# KiCad board _SHEGO75-V2.1.kicad_pcb (continued)
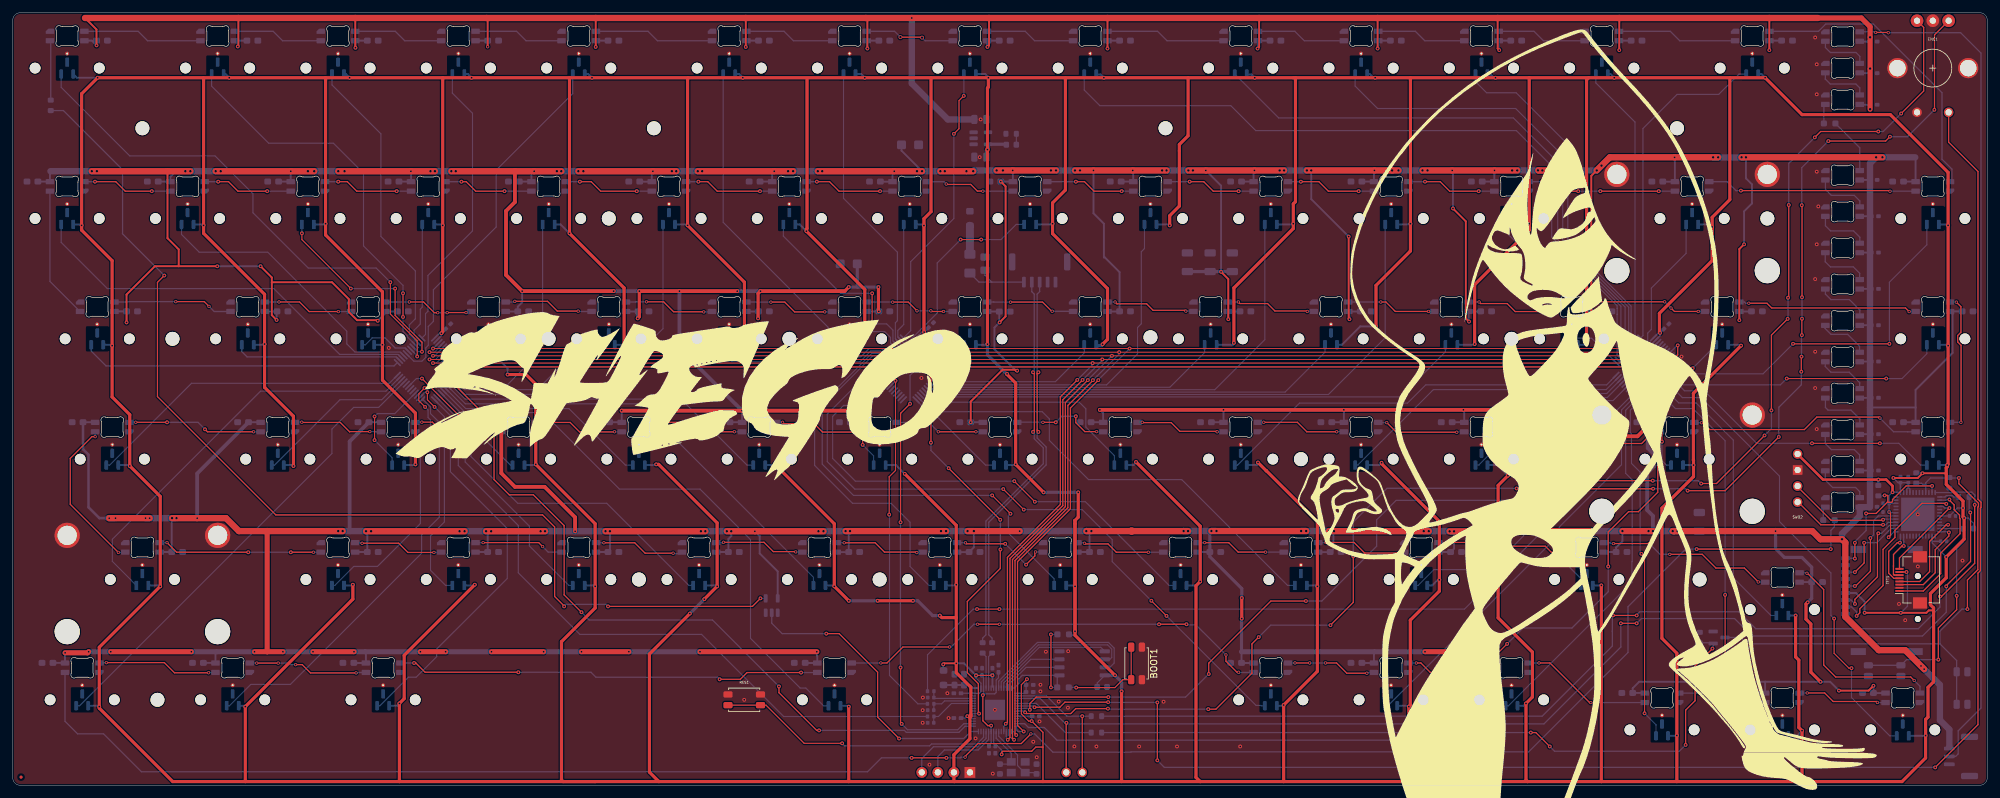
[diagram p0: board, top side]
## Routing (per net, layer and track width the routed paths; a pad name or vN(x,y) marks a point on that pad's centre or on a via; arc(x,y) is an arc through that point) (continued)
  Bottom w0.2: v1(296.28,45.91) 296.21,45.83 R11.1 ; 291.57,38.45 291.57,38.57 293.34,40.34 v1(293.34,43.05) ; v1(291.57,35.91) 291.52,35.96 SD1.P9 ; U5.11 v1(303.78,47.41)
/ESP_EN: length 84.3
  Top w0.2: v1(309.38,27.91) 309.38,32.51 311.03,34.16 311.03,44.06 311.13,44.16 311.13,44.65 308.03,47.76 v1(308.03,48.66)
  Bottom w0.2: R6.1 302.11,47.83 302.28,47.66 302.78,47.66 ; U5.9 302.78,47.66 ; 302.78,47.66 302.78,47.91 303.53,48.66 v1(308.03,48.66) ; EN.2 EN.2 307.68,19.76 305.03,22.41 ; 305.03,22.41 274.53,22.41 273.53,23.41 Q1.3 ; 305.03,22.41 305.03,24.42 308.52,27.91 v1(309.38,27.91)
/ESP_IO0: length 37.5
  Top w0.2: v1(304.78,19.91) 304.78,24.91 307.68,27.81 v1(307.68,30.01)
  Bottom w0.2: v1(307.68,30.01) 307.68,37.48 308.71,38.51 R7.1 U5.23 ; ESP_BOOT.1 ESP_BOOT.1 299.76,19.91 v1(304.78,19.91)
/ESP_RX: length 171.5
  Top w0.2: v1(305.03,29.91) 305.28,29.91 310.53,35.16 v1(310.53,44.41) ; v1(257.03,26.91) v1(253.28,26.91)
  Bottom w0.2: v1(257.03,26.91) 257.03,26.98 257.53,27.48 273.21,27.48 275.88,24.81 301.62,24.81 305.03,28.22 v1(305.03,29.91) ; v1(253.28,26.91) 253.18,26.8 253.18,24.41 253.18,24.41 253.18,22.06 242.08,10.96 R12.1 ; v1(310.53,44.41) 310.56,44.43 310.56,45.94 310.07,46.43 307.59,46.43 307.52,46.36 U5.12
/ESP_TX: length 3.2
  Bottom w0.2: R13.1 307.23,45.66 307.03,45.86 306.03,45.86 305.83,45.66 U5.13
/FB1: length 4.5
  Bottom w1.25: F1.2 FB2.1
/GATE: length 113.9
  Top w0.2: v1(264.78,6.41) 264.78,11.91 266.28,13.41 266.28,18.91 v1(269.03,21.66) ; v1(243.28,6.16) 241.08,8.36 v1(240.28,8.36)
  Bottom w0.2: R15.2 269.02,22.58 ; v1(264.78,6.41) 263.78,5.41 244.03,5.41 v1(243.28,6.16) ; v1(269.03,21.66) 269.14,21.77 Q1.1 ; v1(240.28,8.36) R14.2
/GP0_TX: length 22
  Top w0.2: UART1.1 169.29,10.95 v1(169.28,10.96)
  Bottom w0.2: R12.2 v1(169.28,10.96) 166.83,10.96 163.62,14.16 U3.2
/GP1_RX: length 188.4
  Top w0.2: v1(166.78,9.91) 166.75,9.87 UART1.2 ; v1(254.53,25.66) v1(257.03,25.66) ; v1(306.03,31.51) 306.03,31.61 309.88,35.45 309.88,43.15 v1(309.83,43.2)
  Bottom w0.2: R13.2 309.66,43.37 v1(309.83,43.2) ; U3.3 162.62,13.76 166.48,9.91 v1(166.78,9.91) 166.95,9.73 242.36,9.73 254.53,21.91 v1(254.53,25.66) ; v1(257.03,25.66) 257.78,26.41 272.53,26.41 275.28,23.66 302.28,23.66 306.03,27.41 v1(306.03,31.51)
/GPIO3: length 13.7
  Bottom w0.2: R14.1 166.63,8.36 162.02,12.96 U3.5
/GPIO26: length 8
  Bottom w0.18: U3.38 148.59,12.96 146.53,10.91 R16.1 ; C27.1 145.78,10.88
/GPIO27: length 7.4
  Bottom w0.18: 145.8,11.93 R17.1 147.03,12.91 147.49,13.36 U3.39
/GPIO28: length 7.1
  Bottom w0.18: 145.94,13.76 U3.40 ; C29.1 145.8,14.9
/leds/AMB_OUT: length 9.1
  Bottom w0.2: AMB10.2 292.34,100.94 R10.1
/leds/LED_EXP: length 134.6
  Top w0.2: v3(294.86,119.21) 296.81,119.21 v3(296.86,119.16)
  Bottom w0.2: J3.2 307.52,4.58 307.93,4.99 307.93,8.63 311.53,12.24 311.53,115.93 308.31,119.16 v3(296.86,119.16) ; v3(294.86,119.21) 294.76,119.31 GLO3.2
/leds/LED_IN: length 9.3
  Bottom w0.2: R8.2 6.03,117.76
/leds/LED_OUT: length 316.5
  Top w0.2: v3(161.16,8.15) 159.64,6.62 152.78,6.62 150.75,4.59 v3(150.75,4.46) ; v1(287.75,37.41) v1(266.53,37.41) ; v1(147.78,4.36) v1(142.28,4.36)
  Bottom w0.2: v3(150.75,4.46) 150.09,4.46 149.98,4.36 v1(147.78,4.36) ; v3(161.16,8.15) 161.75,8.15 164.64,5.26 176.98,5.26 177.03,5.31 239.93,5.31 255.66,21.03 255.66,28.28 264.78,37.41 v1(266.53,37.41) ; LED72.2 8.29,10.15 10.28,8.16 14.38,8.16 20.38,2.16 135.31,2.16 137.51,4.36 v1(142.28,4.36) ; v1(287.75,37.41) 287.78,37.44 287.78,40.38 288.31,40.91 288.31,41.91
/MCU_D+: length 5.8
  Bottom w0.18: R4.2 154.46,20.39 U3.47
/MCU_D-: length 5.8
  Bottom w0.18: U3.46 154.06,20.39 R5.1
/QSPI_SCLK: length 23.7
  Bottom w0.18: U3.52 156.46,16.37 162.34,22.24 173.29,22.24 173.96,21.58 173.96,20.25 173.66,19.96 U2.6
/QSPI_SD0: length 19.4
  Bottom w0.18: U3.53 156.86,16.23 162.49,21.86 172.22,21.86 U2.5
/QSPI_SD1: length 9.7
  Bottom w0.18: U3.55 157.66,15.95 160.4,18.69 U2.2
/QSPI_SD2: length 10.7
  Bottom w0.18: U3.54 157.26,16.09 161.13,19.96 U2.3
/QSPI_SD3: length 26.4
  Bottom w0.18: U3.51 156.06,16.51 162.18,22.62 173.45,22.62 174.34,21.74 174.34,19.36 173.66,18.69 U2.7
/QSPI_SS: length 21.2
  Top w0.2: v1(164.33,15.51) v1(164.33,23.89)
  Bottom w0.2: v1(164.33,23.89) 165.25,23.89 ; U3.56 158.53,15.4 159.28,16.16 159.28,16.91 159.79,17.42 U2.1 165.33,17.07 R2.1 v1(164.33,15.51)
/RUN: length 44.6
  Top w0.18: v1(131.28,6.66) 125.28,6.66 119.24,12.69 RES1.2 RES1.2
  Bottom w0.2: v1(131.28,6.66) 131.68,6.26 145.13,6.26 145.43,6.56 152.61,6.56 153.66,7.6 U3.26
/RXD0_IO3: length 17.1
  Top w0.2: v1(296.03,41.26) 286.18,41.26 282.59,44.85
  Bottom w0.2: U5.40 296.87,41.66 296.47,41.26 v1(296.03,41.26)
/SD_CLK: length 16.5
  Top w0.2: v1(291.57,31.56) 291.68,31.56 294.03,33.91 v1(294.03,39.16)
  Bottom w0.2: v1(294.03,39.16) 294.53,39.66 294.53,41.91 295.28,42.66 U5.42 ; v1(291.57,31.56) 290.58,31.56
/SD_CS: length 29.3
  Top w0.2: v1(306.04,44.56) 305.94,44.66 302.19,44.66 297.91,40.38 297.91,39.25 296.03,37.37 296.03,31.64 292.35,27.96 292.35,27.32 v1(291.84,26.81)
  Bottom w0.2: v1(291.84,26.81) 291.84,27.45 291.04,28.26 290.58,28.26 ; v1(306.04,44.56) 305.94,44.66 U5.15
/SD_MISO: length 12.2
  Top w0.2: v1(293.03,38.41) 293.03,35.22 v1(291.57,33.76)
  Bottom w0.2: v1(293.03,38.41) 295.03,38.41 297.28,40.66 U5.38 ; v1(291.57,33.76) 290.58,33.76
/SD_MOSI: length 17.3
  Top w0.2: v1(295.28,39.91) 295.14,39.77 295.14,33.02 291.57,29.45 291.57,28.74 v1(291.59,28.72)
  Bottom w0.2: v1(291.59,28.72) 290.95,29.36 290.58,29.36 ; v1(295.28,39.91) 295.78,39.91 297.03,41.16 U5.39
/sensors/HE1_Esc: length 83.8
  Top w0.18: v1(64.03,67.91) 64.03,70.37 59.78,74.62 v1(59.78,79.66)
  Bottom w0.18: 63.01,69.05 64.03,68.03 v1(64.03,67.91) ; v1(59.78,79.66) 57.53,81.91 46.78,81.91 38.03,90.66 38.03,93.66 32.03,99.66 18.53,99.66 7.68,110.51 HE1.2
/sensors/HE2_F1: length 62.2
  Top w0.18: v1(61.78,77.91) v1(61.78,74.16)
  Bottom w0.18: v1(61.78,74.16) 61.78,71.87 62.48,71.17 62.48,71 MUX1.9 ; v1(61.78,77.91) 61.78,79.16 55.53,85.41 55.53,96.91 50.78,101.66 40.53,101.66 31.49,110.69 HE2.2
/sensors/HE3_F2: length 48.9
  Bottom w0.18: MUX1.10 62.78,71.41 62.78,72.91 63.74,73.86 63.74,81.45 58.28,86.91 58.28,103.16 50.54,110.89 HE3.2
/sensors/HE4_F3: length 46.4
  Bottom w0.18: HE4.2 69.59,109.59 72.78,106.41 72.78,87.78 65.73,80.73 65.73,75.06 65.35,74.67 65.35,71.4 MUX1.12
/sensors/HE5_F4: length 58.3
  Bottom w0.18: HE5.2 88.64,109.52 76.53,97.41 76.53,88.41 66.6,78.47 66.6,73.47 65.78,72.66 65.78,69.66 65.38,69.26 65.38,67.76 64.78,67.16 63.5,67.16 MUX1.5
/sensors/HE6_F5: length 61
  Bottom w0.18: MUX2.5 138.41,68.35 137.87,68.88 137.8,68.88 137.53,69.16 135.56,69.16 134.26,67.86 130.73,67.86 129.07,69.52 129.07,72.52 112.46,89.13 HE6.2
/sensors/HE7_F6: length 46.4
  Bottom w0.18: MUX2.10 139.71,70.68 139.71,73.23 140.03,73.56 140.03,84.41 131.51,92.93 HE7.2
/sensors/HE8_F7: length 45.8
  Top w0.18: v1(148.97,103.14) 148.97,103.15 149.78,103.96 149.78,108.41 v1(150.53,109.16)
  Bottom w0.18: HE8.2 150.56,109.18 v1(150.53,109.16) ; v1(148.97,103.14) 148.97,89.75 142.13,82.92 142.13,71.98 MUX2.12
/sensors/HE9_F8: length 116
  Bottom w0.18: HE9.2 169.61,110.08 172.09,107.6 192.8,107.6 196.75,103.66 237.99,103.66 243.58,98.06 243.58,86.82 254.54,75.86 254.54,69 MUX3.5
/sensors/HE10_F9: length 91.2
  Bottom w0.18: MUX3.7 255.21,69.74 255.21,75.73 244.53,86.41 244.53,98.66 237.53,105.66 200.38,105.66 HE10.2
/sensors/HE11_F10: length 73.9
  Bottom w0.18: MUX3.9 255.77,70.59 255.77,75.71 245.33,86.14 245.33,99.71 237.88,107.16 216.03,107.16 212.47,110.72 HE11.2
/sensors/HE12_F11: length 55.8
  Bottom w0.18: MUX3.10 256.15,70.92 256.15,75.86 246.13,85.88 246.13,101.48 237.96,109.66 233.28,109.66 231.52,111.42 HE12.2
/sensors/HE13_F12: length 44.9
  Bottom w0.18: MUX3.11 256.77,71.01 256.77,105.02 250.57,111.22 HE13.2
/sensors/HE14_Del: length 53.2
  Bottom w0.18: 257.66,70.82 258.03,71.2 258.03,103.99 263.43,109.39 270.01,109.39 273.24,112.62 HE14.2
/sensors/HE15_Grave: length 64.3
  Bottom w0.18: HE15.2 7.68,85.96 14.98,78.66 41.33,78.66 51.76,68.22 61.01,68.22 MUX1.3
/sensors/HE16_1: length 45.9
  Bottom w0.18: MUX1.4 61.34,68.61 54.18,68.61 52.89,69.9 52.89,71.9 40.38,84.41 29.53,84.41 26.73,87.21 HE16.2
/sensors/HE17_2: length 33.9
  Top w0.18: v1(64.78,68.66) 64.78,70.16 60.53,74.41 v1(60.53,78.66) ; v1(53.53,78.66) 45.78,86.41 v1(45.78,87.41)
  Bottom w0.18: MUX1.8 64.12,68.66 v1(64.78,68.66) ; v1(53.53,78.66) v1(60.53,78.66) ; HE17.2 v1(45.78,87.41)
/sensors/HE18_3: length 19.2
  Bottom w0.18: MUX1.11 63.53,71.36 63.53,72.06 64.52,73.04 64.52,75.39 64.83,75.71 HE18.2
/sensors/HE19_4: length 36.2
  Bottom w0.18: MUX1.26 71.49,63.41 78.28,63.41 82,67.13 82,72.98 83.88,74.86 HE19.2
/sensors/HE20_5: length 54.9
  Bottom w0.18: HE20.2 102.93,72.31 92.53,61.91 71.57,61.91 MUX1.28
/sensors/HE21_6: length 30.7
  Top w0.18: v1(136.03,73.06) v1(136.03,77.91)
  Bottom w0.18: MUX2.9 139.33,70.35 139.33,72.06 138.33,73.06 v1(136.03,73.06) ; v1(136.03,77.91) 131.03,77.91 121.98,86.96 HE21.2
/sensors/HE22_7: length 18.9
  Bottom w0.18: HE22.2 141.03,72.96 140.09,72.01 140.09,71.01 MUX2.11
/sensors/HE23_8: length 34.3
  Top w0.18: v1(153.28,86.41) v1(150.03,86.41)
  Bottom w0.18: HE23.2 158.83,88.81 156.43,86.41 v1(153.28,86.41) ; MUX2.7 139.75,68.52 140.4,68.52 141.87,69.99 141.87,70.31 146.33,74.78 146.33,82.71 v1(150.03,86.41)
/sensors/HE24_9: length 55.2
  Bottom w0.18: MUX2.27 146.98,63.41 173.13,63.41 178.04,68.31 178.04,72.48 178.64,73.07 178.64,84.48 179.13,84.98 HE24.2
/sensors/HE25_0: length 74.6
  Bottom w0.18: MUX2.29 146.33,62.64 190.27,62.64 198.18,70.56 HE25.2
/sensors/HE26_Minus: length 94.5
  Bottom w0.18: MUX2.31 145.68,61.88 208.26,61.88 217.23,70.86 HE26.2
/sensors/HE27_Equals: length 32.2
  Bottom w0.18: MUX3.3 253.94,68.18 253.94,74.57 253.95,74.58 253.95,75.51 253.94,75.51 253.94,75.92 246.2,83.66 240.28,83.66 236.28,87.66 HE27.2
/sensors/HE28_Backspace: length 31.1
  Bottom w0.18: HE28.2 264.86,84.23 259.36,78.73 259.36,72.18 258.78,71.6 258.78,69.34 258.27,68.83 258.27,62.42 259.65,61.04
/sensors/HE29_Home: length 56.9
  Top w0.18: v1(297.03,69.91) v1(281.78,69.91)
  Bottom w0.18: MUX3.25 263.79,65.16 277.03,65.16 v1(281.78,69.91) ; v1(297.03,69.91) 297.03,79.66 302.96,85.58 HE29.2
/sensors/HE30_Tab: length 50.6
  Bottom w0.2: HE30.2 12.44,68.74 14.78,66.41 60.36,66.41 MUX1.1
/sensors/HE31_Q: length 26.6
  Bottom w0.2: HE31.2 36.26,68.68 37.1,67.83 60.7,67.83 MUX1.2
/sensors/HE32_W: length 8.7
  Bottom w0.2: 55.31,69.76 55.83,69.76 56.93,70.86 58.93,70.86 60.54,69.25 62.11,69.25 MUX1.6
/sensors/HE33_E: length 6.4
  Bottom w0.18: MUX1.25 74.36,68.61 HE33.2
/sensors/HE34_R: length 27
  Bottom w0.18: MUX1.27 71.53,62.66 83.03,62.66 90.13,69.76 HE34.2
/sensors/HE35_T: length 28.6
  Bottom w0.18: HE35.2 112.46,68.48 113.88,67.06 134.1,67.06 135.82,68.77 137.37,68.77 MUX2.4
/sensors/HE36_Y: length 10.4
  Bottom w0.18: MUX2.8 138.95,70.03 138.95,70.9 138.01,71.83 134.12,71.83 132.04,69.76 HE36.2
/sensors/HE37_U: length 6.3
  Bottom w0.18: HE37.2 150.56,68.68 146.88,65
/sensors/HE38_I: length 26.5
  Bottom w0.18: MUX2.26 147.19,63.91 165.03,63.91 169.61,68.48 HE38.2
/sensors/HE39_O: length 46.7
  Bottom w0.18: HE39.2 188.66,68.53 183.15,63.02 146.66,63.02 MUX2.28
/sensors/HE40_P: length 66.8
  Bottom w0.18: HE40.2 207.71,68.58 201.39,62.26 146,62.26 MUX2.30
/sensors/HE41_LeftBracket: length 86.8
  Bottom w0.18: MUX2.32 145.35,61.5 219.63,61.5 226.76,68.63 HE41.2
/sensors/HE42_RightBracket: length 10
  Bottom w0.18: MUX3.1 249.92,70.78 247.37,70.78 246.34,69.76 HE42.2
/sensors/HE43_Backslash: length 14.4
  Top w0.18: 265.77,65.91 262.78,65.91 260.03,63.16 v1(259.53,63.16)
  Bottom w0.18: v1(265.9,66.04) HE43.2 ; MUX3.34 259.5,62.62 259.5,63.12 v1(259.53,63.16)
/sensors/HE44_PgUp: length 43.7
  Top w0.18: v1(296.53,64.41) v1(280.78,64.41)
  Bottom w0.18: v1(280.78,64.41) 279.78,63.41 264.37,63.41 MUX3.26 ; HE44.2 302.96,68.33 299.03,64.41 v1(296.53,64.41)
/sensors/HE45_CapsLock: length 52
  Bottom w0.18: MUX1.48 59.62,63.66 28.31,63.66 15.36,50.71 HE45.2
/sensors/HE46_A: length 26.2
  Bottom w0.18: HE46.2 41.46,50.71 51.81,61.06 58.43,61.06 MUX1.46
/sensors/HE47_S: length 16.8
  Top w0.18: v1(57.28,54.66) v1(57.28,58.41)
  Bottom w0.18: 63.72,62.09 60.48,58.86 57.73,58.86 v1(57.28,58.41) ; v1(57.28,54.66) 60.07,51.87 HE47.2
/sensors/HE48_D: length 16.2
  Bottom w0.18: HE48.2 78.77,50.71 73.67,55.81 73.67,56.24 67.85,62.06
/sensors/HE49_F: length 34.6
  Bottom w0.18: MUX1.31 71.7,59.66 88.03,59.66 96.98,50.71 HE49.2
/sensors/HE50_G: length 53.3
  Bottom w0.18: HE50.2 116.23,50.71 105.78,61.16 71.62,61.16 MUX1.29
/sensors/HE51_H: length 15.8
  Top w0.18: v1(134.53,53.91) v1(134.53,59.16)
  Bottom w0.18: 137.44,64.57 134.53,61.66 v1(134.53,59.16) ; HE51.2 136.27,52.17 v1(134.53,53.91)
/sensors/HE52_J: length 16.6
  Bottom w0.18: MUX2.36 145.58,58.45 146.24,58.45 153.98,50.71 HE52.2
/sensors/HE53_K: length 37.8
  Bottom w0.18: MUX2.34 144.78,60.66 168.81,60.66 169.85,59.61 169.85,56.73 174.37,52.21 HE53.2
/sensors/HE54_L: length 66.3
  Bottom w0.18: MUX3.48 253.03,64.19 253.03,64.16 252.28,63.41 223.66,63.41 220.77,60.52 203.67,60.52 193.86,50.71 HE54.2
/sensors/HE55_Semicolon: length 47.4
  Bottom w0.18: HE55.2 212.91,50.71 224.86,62.66 252.21,62.66 MUX3.47
/sensors/HE56_Quote: length 28.6
  Bottom w0.18: MUX3.46 252.29,62.04 243.39,62.04 232.05,50.71 HE56.2
/sensors/HE57_Enter: length 12.1
  Top w0.18: v1(261.03,58.91) v1(261.03,54.41)
  Bottom w0.18: HE57.2 261.73,50.71 261.03,51.41 v1(261.03,54.41) ; MUX3.35 261.03,60.38 v1(261.03,58.91)
/sensors/HE58_PgDn: length 45.7
  Top w0.18: v1(284.78,54.16) v1(295.53,54.16)
  Bottom w0.18: v1(295.53,54.16) 298.53,54.16 301.98,50.71 HE58.2 ; MUX3.27 264.6,62.47 267.72,62.47 276.03,54.16 v1(284.78,54.16)
/sensors/HE59_ShiftL: length 65
  Bottom w0.18: HE59.2 15.78,35.46 15.78,38.96 39.23,62.41 59.08,62.41 MUX1.47
/sensors/HE60_Z: length 42.9
  Top w0.18: v1(65.28,59.91) 64.28,60.91 64.28,62 v1(65.19,62.91)
  Bottom w0.18: v1(65.19,62.91) 65.19,62.87 MUX1.39 ; HE60.2 50.98,31.66 53.98,34.66 57.73,34.66 64.53,41.46 64.53,53.26 66.13,54.86 66.13,57.86 65.75,58.24 65.75,59.44 v1(65.28,59.91)
/sensors/HE61_X: length 36.2
  Top w0.18: v1(66.78,59.91) 65.64,61.05 v1(65.64,62.24)
  Bottom w0.18: v1(65.64,62.24) 65.28,62.24 MUX1.38 ; v1(66.78,59.91) 68.33,58.36 68.33,41.71 66.14,39.51 66.14,34.05 68.53,31.66 HE61.2
/sensors/HE62_C: length 39
  Bottom w0.18: MUX1.35 71.62,56.91 71.62,51.2 81.78,41.04 81.78,37.91 88.03,31.66 HE62.2
/sensors/HE63_V: length 55.4
  Bottom w0.18: MUX1.34 72.53,56.71 72.53,52.07 79.95,44.66 94.03,44.66 107.03,31.66 HE63.2
/sensors/HE64_B: length 72.7
  Bottom w0.18: MUX1.30 71.66,60.41 101.03,60.41 103.53,57.91 103.53,56.16 126.74,32.94 HE64.2
/sensors/HE65_N: length 54.4
  Bottom w0.18: MUX2.3 137.04,68.39 135.98,68.39 127.75,60.16 127.75,59.57 126.93,58.75 126.93,50.66 132.93,44.66 139.03,44.66 142.03,41.66 142.03,34.66 145.03,31.66 HE65.2
/sensors/HE66_M: length 69.6
  Top w0.18: v1(157.93,43.01) v1(155.03,45.91)
  Bottom w0.18: MUX2.2 136.72,68.01 136.14,68.01 128.13,60.01 128.13,50.86 133.08,45.91 v1(155.03,45.91) ; HE66.2 164.84,32.69 157.6,39.93 157.6,42.69 v1(157.93,43.01)
/sensors/HE67_Comma: length 79.1
  Top w0.18: v1(161.78,44.91) v1(158.53,48.16)
  Bottom w0.18: HE67.2 183.03,31.66 169.78,44.91 v1(161.78,44.91) ; MUX2.48 132.32,60.16 131.53,60.16 129.78,58.41 129.78,51.76 133.38,48.16 v1(158.53,48.16)
/sensors/HE68_Period: length 73.9
  Bottom w0.18: MUX2.35 145.58,59.16 162.95,59.16 164.08,58.03 164.08,54.61 170.28,48.41 185.03,48.41 201.78,31.66 HE68.2
/sensors/HE69_Slash: length 54.2
  Bottom w0.18: HE69.2 222.43,31.66 224.93,34.16 233.78,34.16 239.13,39.51 239.13,53.26 247.28,61.41 252.37,61.41 MUX3.45
/sensors/HE70_ShiftR: length 36.5
  Bottom w0.18: HE70.2 248.19,32.75 244.78,36.16 244.78,40.91 254.64,50.76 254.64,59.43 MUX3.39
/sensors/HE71_ArrowUp: length 45.4
  Bottom w0.18: MUX3.31 263.7,60.54 266.45,60.54 272.33,54.66 272.33,32.86 278.29,26.89 HE71.2
/sensors/HE72_CtrlL: length 75.4
  Bottom w0.18: MUX1.45 57.92,59.83 53.96,59.83 50.53,56.41 50.53,52.54 10.6,12.61 HE72.2
/sensors/HE73_Win: length 67.6
  Bottom w0.18: HE73.2 34.32,12.61 37.69,15.98 43.96,15.98 64.72,36.75 64.72,39.65 67.53,42.46 67.53,57.46 66.13,58.86 66.13,59.89 64.99,61.04 MUX1.37
/sensors/HE74_AltL: length 62.7
  Bottom w0.18: HE74.2 58.13,12.61 62.65,17.12 63.86,17.12 67.11,20.38 67.11,21.59 78.28,32.76 78.28,40.66 69.28,49.66 69.28,58.54 MUX1.36
/sensors/HE75_Space: length 90.7
  Bottom w0.18: HE75.2 128.33,12.61 125.53,15.41 124.65,15.41 116.78,23.27 116.78,38.91 108.78,46.91 96.03,46.91 83.91,59.02 71.63,59.02 MUX1.32
/sensors/HE76_AltR: length 106.4
  Top w0.18: v1(160.03,43.66) v1(156.78,46.91) ; v1(182.62,26.83) v1(180.23,29.22)
  Bottom w0.18: v1(156.78,46.91) 133.28,46.91 128.93,51.26 128.93,58.78 MUX2.1 ; v1(180.23,29.22) 174.03,35.42 174.03,38.91 169.28,43.66 v1(160.03,43.66) ; HE76.2 197.58,12.61 197.53,12.66 196.8,12.66 v1(182.62,26.83)
/sensors/HE77_Fn: length 66.1
  Bottom w0.18: MUX3.40 253.9,59.4 253.9,56.66 243.53,46.29 243.53,38.47 217.67,12.61 HE77.2
/sensors/HE78_CtrlR: length 58.6
  Bottom w0.18: HE78.2 236.73,12.61 256.28,32.16 256.28,35.41 256.33,35.45 256.33,48.36 255.3,49.39 255.3,59.39 MUX3.38
/sensors/HE79_ArrowLeft: length 55.6
  Top w0.18: v1(257.78,36.66) 258.28,36.16 v1(258.28,11.41)
  Bottom w0.18: HE79.2 260.09,9.59 v1(258.28,11.41) ; v1(257.78,36.66) 257.58,36.86 257.58,49.61 256.21,50.98 256.21,55.63 256.03,55.81 256.03,59.41 256.91,60.28 256.91,60.29 MUX3.37
/sensors/HE80_ArrowDown: length 64.3
  Top w0.18: v1(271.03,14.75) v1(271.03,30.16)
  Bottom w0.18: MUX3.33 263.17,59.66 265.93,59.66 271.03,54.56 v1(271.03,30.16) ; HE80.2 277.84,7.84 271.03,14.66 v1(271.03,14.75)
/sensors/HE81_ArrowRight: length 73.2
  Top w0.18: v1(288.28,26.41) 288.28,20.91 290.63,18.56 v1(291.03,18.56)
  Bottom w0.18: HE81.2 297.09,7.84 291.03,13.91 v1(291.03,18.56) ; v1(288.28,26.41) 287.78,26.91 287.78,33.63 279.64,41.77 279.64,48.95 267.2,61.39 264.27,61.39 MUX3.29
/SWCLK: length 12.9
  Bottom w0.2: J1.3 146.43,4.55 147.48,5.61 152.82,5.61 154.46,7.25 U3.24
/SWDIO: length 14.8
  Bottom w0.2: J1.4 143.89,4.26 145.74,6.11 152.74,6.11 154.06,7.44 U3.25
/TFT_BL: length 23
  Top w0.2: v1(306.53,45.26) 306.63,45.16 306.63,45.05 307.28,44.41 307.28,43.63 308.13,42.78 308.13,42.28 308.23,42.18 308.23,39.85 305.16,36.78 305.16,33.53 302.41,30.78 TFT1.LEDA
  Bottom w0.2: v1(306.53,45.26) 306.11,45.26 306.01,45.16 U5.14
/TFT_CS: length 14.6
  Top w0.2: TFT1.CS 298.63,36 v1(306.53,43.91)
  Bottom w0.2: U5.16 305.53,44.16 305.78,43.91 v1(306.53,43.91)
/TFT_DC: length 15.6
  Top w0.2: v1(306.32,41.26) 306.03,41.26 303.4,38.63 303.4,33.84 301.84,32.28 TFT1.DC
  Bottom w0.2: v1(306.32,41.26) 306.22,41.16 U5.22
/TFT_MOSI: length 8.9
  Top w0.2: TFT1.SDA 297.73,32.78 296.92,33.58 296.92,37.05 298.3,38.42 v1(298.7,38.42)
  Bottom w0.2: U5.36 298.78,38.5 v1(298.7,38.42)
/TFT_RES: length 15.2
  Top w0.2: v1(306.45,40.06) 306.45,39.47 304.29,37.31 304.29,33.66 302.41,31.78 TFT1.RES
  Bottom w0.2: U5.24 306.35,40.16 v1(306.45,40.06)
/TFT_SCK: length 7.9
  Top w0.2: v1(299.31,37.9) 299.03,37.9 298.95,37.82 298.95,37.82 297.68,36.56 297.68,34.73 297.68,34.73 297.68,33.4 297.74,33.33 297.78,33.33 297.83,33.28 TFT1.SCL
  Bottom w0.2: U5.35 299.28,38.66 299.31,38.63 v1(299.31,37.9)
/TXD0_IO1: length 17.9
  Top w0.2: v1(296.03,42.06) 295.94,41.97 287.81,41.97 282.5,47.28
  Bottom w0.2: v1(296.03,42.06) 296.18,42.06 296.28,42.16 U5.41
/USB_BOOT: length 15.6
  Top w0.18: BOOT1.2 BOOT1.2 175.71,16.73 174.45,15.48 v1(168.32,15.48)
  Bottom w0.2: v1(168.32,15.48) 168.29,15.51 R2.2
/XIN: length 9.8
  Bottom w0.18: U3.20 156.06,7.78 159.05,4.8 159.05,3.13 160.16,2.02
  Bottom w0.2: Y1.3 161.84,2.02
/XOUT: length 7.2
  Bottom w0.18: C25.2 157.7,3.36
  Bottom w0.2: U3.21 155.66,7.47 158.06,5.07 Y1.1
AMB_IN: length 2.2
  Bottom w0.2: AMB1.3 286.56,43.71 R9.1
D+: length 62.1
  Top w0.2: v1(162.35,65.41) 162.15,65.21 162.15,56.15 v1(162.35,55.95)
  Bottom w0.2: v1(162.35,55.95) 162.15,55.75 162.15,54.99 163.57,53.56 163.57,50.73 154.49,41.65 154.49,23.83 155.02,23.31 R4.1 ; v1(162.35,65.41) 162.15,65.61 162.15,77.77 162.55,78.17 JST1.3
D-: length 62.1
  Top w0.2: v1(161.5,55.95) 161.7,56.15 161.7,65.21 v1(161.5,65.41)
  Bottom w0.2: JST1.2 161.3,78.17 161.7,77.77 161.7,65.61 v1(161.5,65.41) ; R5.2 153.52,23.31 154.04,23.83 154.04,41.84 163.12,50.92 163.12,53.45 161.7,54.87 161.7,55.75 v1(161.5,55.95)
ENC_A: length 226.9
  Top w0.2: v1(238.03,45.23) 246.29,45.23 248.02,46.96 v1(259.63,46.96) ; v1(287.37,102.01) 296.43,102.01 v1(297.12,102.7) ; v1(283.12,67.88) 283.09,67.85 v1(283.09,65.49) ; v1(173.41,13.98) 162.01,13.98 160.99,12.96 v1(160.99,11.96) ; v1(283.16,91.85) 283.2,91.81 v1(283.2,77.29) ; v1(265.09,46.66) 271.03,46.66 v1(279.53,55.16) ; v1(304.15,106.96) 304.17,106.98 304.17,118.82 ENC1.A ; v1(189.3,17.64) 189.3,19.34 199.14,29.19 v1(204.68,29.19) ; v1(283.18,71.28) 283.18,73.85 v1(283.2,73.87)
  Bottom w0.2: v1(297.12,102.7) 299.89,102.7 v1(304.15,106.96) ; U3.7 160.73,12.16 160.93,11.96 v1(160.99,11.96) ; v1(279.53,55.16) 279.53,59.86 283.09,63.42 v1(283.09,65.49) ; v1(283.16,91.85) 283.16,97.8 v1(287.37,102.01) ; v1(265.09,46.66) 264.79,46.96 v1(259.63,46.96) ; v1(189.3,17.64) 185.64,13.98 v1(173.41,13.98) ; v1(283.2,73.87) v1(283.2,77.29) ; v1(238.03,45.23) 237.27,45.23 237.16,45.12 218.95,45.12 215.88,42.05 215.88,37.87 207.19,29.19 v1(204.68,29.19) ; v1(283.18,71.28) 283.12,71.22 v1(283.12,67.88)
ENC_B: length 229.7
  Top w0.2: v1(189.23,12.07) 190.44,12.07 196.14,17.77 196.14,22.4 v1(197.22,23.47) ; v1(277.27,55.4) 269.66,47.79 v1(267.24,47.79) ; v1(280.93,73.86) 278.36,71.29 v1(278.36,59.37) ; ENC1.B 302.46,120 302.46,109.93 v1(298.89,106.37) ; v1(208.57,25.37) 212.18,28.98 v1(212.18,36.27) ; v1(285.22,102.59) 286.15,103.52 v1(295.28,103.52) ; v1(238.03,47.01) 246.01,47.01 247.24,48.24 v1(259.58,48.24) ; v1(160.24,11.56) 160.44,11.36 167.47,11.36 168.25,12.15 v1(173.35,12.15) ; v1(281.1,91.88) 281.1,77.31 v1(280.99,77.2)
  Bottom w0.2: v1(277.27,55.4) 278.36,56.49 v1(278.36,59.37) ; v1(238.03,47.01) 237.33,47.01 237.31,47.03 217.51,47.03 212.18,41.7 v1(212.18,36.27) ; v1(259.58,48.24) 266.79,48.24 v1(267.24,47.79) ; v1(189.23,12.07) 173.52,12.07 173.44,12.15 v1(173.35,12.15) ; v1(295.28,103.52) 296.04,103.52 v1(298.89,106.37) ; v1(208.57,25.37) 199.11,25.37 v1(197.22,23.47) ; U3.8 160.04,11.76 v1(160.24,11.56) ; v1(285.22,102.59) 281.1,98.47 v1(281.1,91.88) ; v1(280.93,73.86) 280.99,73.92 v1(280.99,77.2)
ENC_SW: length 264.3
  Top w0.2: v1(161.73,12.36) 165.74,12.36 166.55,13.18 v1(173.38,13.18) ; v1(181.17,3.96) v1(181.17,13.13) ; v1(304.28,2.85) 311.05,9.61 311.05,33.61 311.43,33.99 311.43,43.89 311.53,43.99 311.53,44.82 311.05,45.3 311.05,97.18 306.41,101.83 ENC1.S1
  Bottom w0.2: v1(181.17,13.13) 173.43,13.13 v1(173.38,13.18) ; v1(181.17,3.96) 182.28,2.85 v1(304.28,2.85) ; U3.6 161.53,12.56 v1(161.73,12.36)
MUX1: length 113.9
  Top w0.18: v1(64.78,64.41) 70.53,58.66 v1(70.53,56.66)
  Bottom w0.18: v1(70.53,56.66) 70.53,50.64 80.03,41.14 80.03,33.65 89.77,23.91 109.03,23.91 122.03,10.91 R16.2 ; v1(64.78,64.41) 63.9,64.41 MUX1.43
MUX2: length 56.2
  Top w0.18: v1(139.73,64.06) 139.73,49.86 138.73,48.86 v1(138.73,42.86)
  Bottom w0.18: v1(138.73,42.86) 138.78,42.81 138.78,17.41 143.28,12.91 R17.2 ; MUX2.43 139.73,64.03 v1(139.73,64.06)
MUX3: length 141.6
  Top w0.18: v1(156.17,27.91) v1(152.63,27.91)
  Bottom w0.18: MUX3.43 253.3,60.92 250.05,60.92 241.33,52.21 241.33,39.46 229.78,27.91 v1(156.17,27.91) ; v1(152.63,27.91) 152.03,27.91 144.79,20.67 R18.2
MUX_A0: length 267.2
  Top w0.15: v1(259.41,69.16) v1(176.78,69.16) v1(142.73,69.16) v1(66.53,69.16)
  Top w0.2: v1(171.83,64.15) 167.42,59.74 167.42,43.8 159.05,35.43 159.05,9.5 v1(160.02,8.53)
  Bottom w0.2: v1(160.02,8.53) 159.13,8.53 158.9,8.75 U3.14 ; v1(171.83,64.15) 171.83,64.2 v1(176.78,69.16) ; MUX2.15 v1(142.73,69.16) ; MUX1.15 v1(66.53,69.16) ; MUX3.15 v1(259.41,69.16)
MUX_A1: length 268.8
  Top w0.15: v1(65.98,68.58) v1(175.13,68.58) v1(258.86,68.58)
  Top w0.2: v1(170.97,64.15) 170.97,64.11 167.01,60.15 167.01,43.96 158.64,35.59 158.64,8.17 v1(158.84,7.97)
  Bottom w0.15: MUX3.16 260.73,69.66 259.65,68.58 v1(258.86,68.58) ; MUX2.16 144.05,69.66 142.97,68.58 v1(142.18,68.58) ; v1(65.98,68.58) 66.77,68.58 67.85,69.66 MUX1.16
  Bottom w0.2: v1(170.97,64.15) 171.58,64.75 171.58,64.75 175.13,68.3 v1(175.13,68.58) ; v1(158.84,7.97) 158.84,8.09 158.41,8.53 U3.15
MUX_A2: length 268.8
  Top w0.15: v1(66.53,68.01) v1(142.73,68.01) v1(173.99,68.01) v1(259.41,68.01)
  Top w0.2: v1(158.49,7.22) 158.24,7.47 158.24,35.76 166.61,44.13 166.61,60.6 v1(170.17,64.16)
  Bottom w0.15: MUX1.17 66.8,68.01 v1(66.53,68.01) ; MUX3.17 259.68,68.01 v1(259.41,68.01) ; v1(142.73,68.01) 143,68.01 MUX2.17
  Bottom w0.2: v1(173.99,68.01) 173.98,68.01 170.17,64.19 v1(170.17,64.16) ; U3.16 157.66,7.9 158.34,7.22 v1(158.49,7.22)
